# KiCad board bandoneon.kicad_pcb
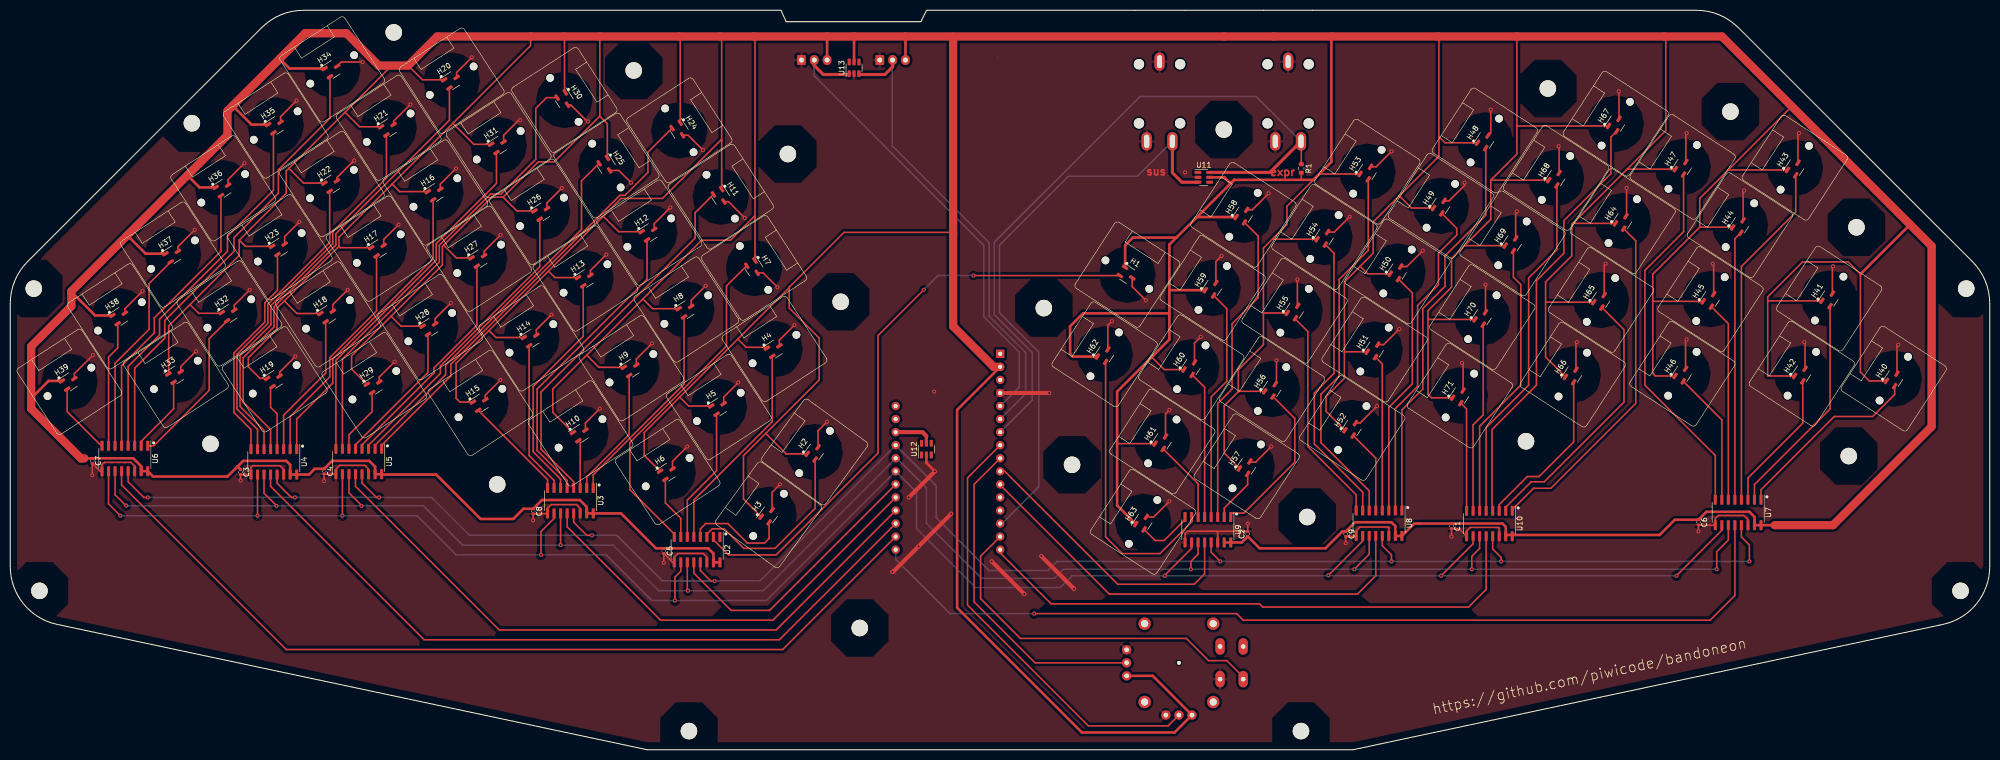
[diagram p0: board, top side]
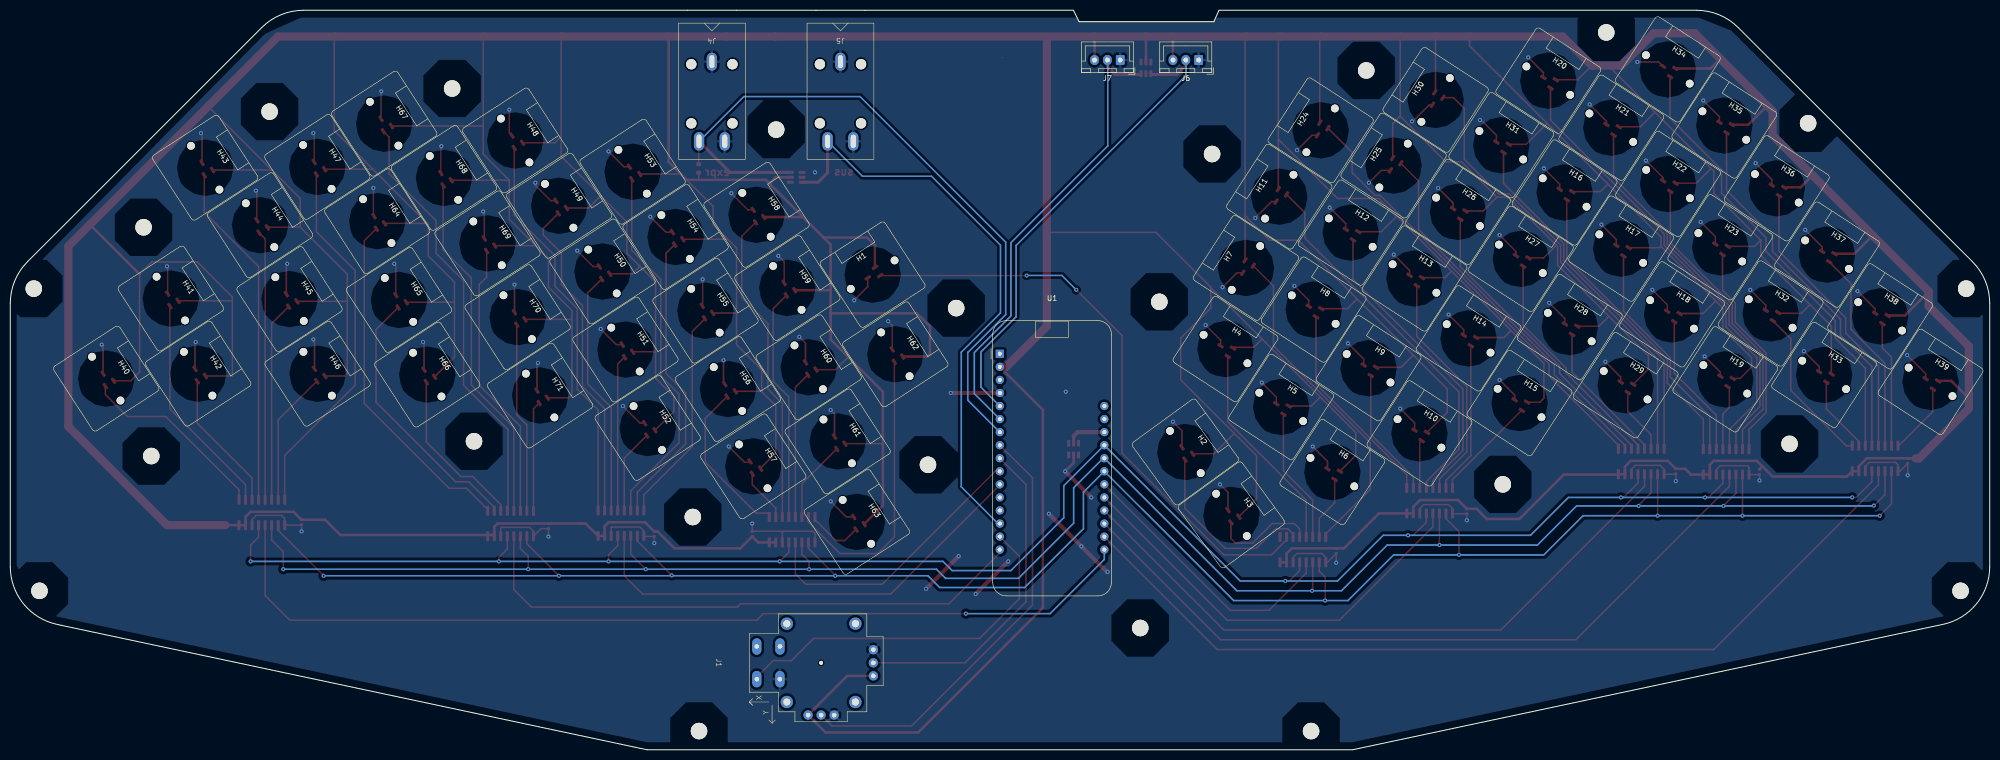
[diagram p1: board, bottom side, seen from below]

Outline 384.86 x 143.85 mm; copper layers: Top, Bottom. Coordinates in mm from the lower left corner of the outline.
Outline path: 0,86.83 arc(0.88,91.23) 3.37,94.96 48.89,140.48 arc(52.62,142.97) 57.02,143.85 149.85,143.85 150.85,141.63 177.05,141.63 178.15,143.85 327.84,143.85 arc(332.24,142.97) 335.98,140.48 381.5,94.96 arc(383.99,91.23) 384.86,86.83 384.86,35.63 arc(382.3,28.39) 375.75,24.38 261.06,0 123.8,0 9.11,24.38 arc(2.56,28.39) 0,35.63 0,86.83
Stack: Top 0.035mm / dielectric 1.51mm FR4 er 4.5 / Bottom 0.035mm

## Placement (name value [footprint] x y rotation side)
C1  1uF  [C_0402_1005Metric]  280.22 43.49 270 top
C2  1uF  [C_0402_1005Metric]  240.6 41.97 90 top
C3  1uF  [C_0402_1005Metric]  44.77 54 270 top
C4  1uF  [C_0402_1005Metric]  61.02 54.16 270 top
C5  1uF  [C_0402_1005Metric]  127.06 38.67 270 top
C6  1uF  [C_0402_1005Metric]  328.23 44.25 270 top
C7  1uF  [C_0402_1005Metric]  15.94 56.19 270 top
C8  1uF  [C_0402_1005Metric]  101.66 46.38 270 top
C9  1uF  [C_0402_1005Metric]  259.65 41.97 270 top
H1  SS39ET  [SOT-23_SS39ET]  217.19 92.42 327 top
H2  SS39ET  [SOT-23_SS39ET]  156.39 57.91 54 top
H3  SS39ET  [SOT-23_SS39ET]  147.43 45.69 54 top
H4  SS39ET  [SOT-23_SS39ET]  148.59 77.95 33 top
H5  SS39ET  [SOT-23_SS39ET]  137.76 66.69 33 top
H6  SS39ET  [SOT-23_SS39ET]  127.81 54.01 33 top
H7  SS39ET  [SOT-23_SS39ET]  144.61 93.72 303 top
H8  SS39ET  [SOT-23_SS39ET]  131.44 85.62 33 top
H9  SS39ET  [SOT-23_SS39ET]  120.77 74.21 33 top
H10  SS39ET  [SOT-23_SS39ET]  110.87 61.53 33 top
H11  SS39ET  [SOT-23_SS39ET]  138.13 107.59 303 top
H12  SS39ET  [SOT-23_SS39ET]  124.24 100.6 33 top
H13  SS39ET  [SOT-23_SS39ET]  111.84 91.67 33 top
H14  SS39ET  [SOT-23_SS39ET]  101.32 80.01 33 top
H15  SS39ET  [SOT-23_SS39ET]  91.41 67.45 33 top
H16  SS39ET  [SOT-23_SS39ET]  82.65 108.4 33 top
H17  SS39ET  [SOT-23_SS39ET]  71.65 97.49 33 top
H18  SS39ET  [SOT-23_SS39ET]  61.76 84.68 33 top
H19  SS39ET  [SOT-23_SS39ET]  51.41 72.05 33 top
H20  SS39ET  [SOT-23_SS39ET]  85.82 130.15 33 top
H21  SS39ET  [SOT-23_SS39ET]  73.57 121 33 top
H22  SS39ET  [SOT-23_SS39ET]  62.54 110.05 33 top
H23  SS39ET  [SOT-23_SS39ET]  52.39 97.75 33 top
H24  SS39ET  [SOT-23_SS39ET]  130.08 120.49 303 top
H25  SS39ET  [SOT-23_SS39ET]  115.91 113.64 303 top
H26  SS39ET  [SOT-23_SS39ET]  103.38 104.63 33 top
H27  SS39ET  [SOT-23_SS39ET]  91.16 95.5 33 top
H28  SS39ET  [SOT-23_SS39ET]  81.65 82.21 33 top
H29  SS39ET  [SOT-23_SS39ET]  70.79 70.91 33 top
H30  SS39ET  [SOT-23_SS39ET]  107.73 126.41 303 top
H31  SS39ET  [SOT-23_SS39ET]  94.96 117.59 33 top
H32  SS39ET  [SOT-23_SS39ET]  42.59 84.86 33 top
H33  SS39ET  [SOT-23_SS39ET]  32.19 72.91 33 top
H34  SS39ET  [SOT-23_SS39ET]  62.59 132.35 33 top
H35  SS39ET  [SOT-23_SS39ET]  51.6 121.43 33 top
H36  SS39ET  [SOT-23_SS39ET]  41.4 109.21 33 top
H37  SS39ET  [SOT-23_SS39ET]  31.64 96.32 33 top
H38  SS39ET  [SOT-23_SS39ET]  21.31 84.3 33 top
H39  SS39ET  [SOT-23_SS39ET]  11.5 71.56 33 top
H40  SS39ET  [SOT-23_SS39ET]  366.21 72.19 57 top
H41  SS39ET  [SOT-23_SS39ET]  353.65 87.76 57 top
H42  SS39ET  [SOT-23_SS39ET]  348.34 73.14 57 top
H43  SS39ET  [SOT-23_SS39ET]  346.97 113.22 57 top
H44  SS39ET  [SOT-23_SS39ET]  336.3 102.04 57 top
H45  SS39ET  [SOT-23_SS39ET]  330.57 87.66 57 top
H46  SS39ET  [SOT-23_SS39ET]  325.1 73.14 57 top
H47  SS39ET  [SOT-23_SS39ET]  325.16 113.38 57 top
H48  SS39ET  [SOT-23_SS39ET]  286.7 118.52 57 top
H49  SS39ET  [SOT-23_SS39ET]  278.14 105.82 57 top
H50  SS39ET  [SOT-23_SS39ET]  269.72 93.03 57 top
H51  SS39ET  [SOT-23_SS39ET]  265.25 77.85 57 top
H52  SS39ET  [SOT-23_SS39ET]  260.92 62.59 57 top
H53  SS39ET  [SOT-23_SS39ET]  263.86 112.43 57 top
H54  SS39ET  [SOT-23_SS39ET]  255.51 99.74 57 top
H55  SS39ET  [SOT-23_SS39ET]  249.7 85.4 57 top
H56  SS39ET  [SOT-23_SS39ET]  245.33 70.17 57 top
H57  SS39ET  [SOT-23_SS39ET]  240.41 55.13 57 top
H58  SS39ET  [SOT-23_SS39ET]  239.77 104.06 57 top
H59  SS39ET  [SOT-23_SS39ET]  233.78 89.84 57 top
H60  SS39ET  [SOT-23_SS39ET]  229.62 74.39 57 top
H61  SS39ET  [SOT-23_SS39ET]  223.99 59.98 57 top
H62  SS39ET  [SOT-23_SS39ET]  212.78 76.92 57 top
H63  SS39ET  [SOT-23_SS39ET]  220.26 44.33 57 top
H64  SS39ET  [SOT-23_SS39ET]  313.51 102.83 57 top
H65  SS39ET  [SOT-23_SS39ET]  309.28 87.49 57 top
H66  SS39ET  [SOT-23_SS39ET]  303.79 72.97 57 top
H67  SS39ET  [SOT-23_SS39ET]  312.16 121.78 57 top
H68  SS39ET  [SOT-23_SS39ET]  300.53 111.23 57 top
H69  SS39ET  [SOT-23_SS39ET]  292.07 98.5 57 top
H70  SS39ET  [SOT-23_SS39ET]  286.21 84.15 57 top
H71  SS39ET  [SOT-23_SS39ET]  281.85 68.9 57 top
J1  2D JOYSTICK  [Adafruit (512) Analog 2-axis Thumb Joystick with Select Button]  227.22 16.91 90 bottom
J4  AudioJack3  [Jack TRS]  248.45 133.85 180 bottom
J5  AudioJack3  [Jack TRS]  223.45 133.85 180 bottom
J6  JST XH-3A  [JST_XH_B3B-XH-A_1x03_P2.50mm_Vertical]  153.81 134.17 0 bottom
J7  JST XH-3A  [JST_XH_B3B-XH-A_1x03_P2.50mm_Vertical]  169.05 134.17 0 bottom
MH01  -  [MountingHole_3.2mm_M3_large]  121.22 132.14 0 top
MH02  -  [MountingHole_3.2mm_M3_large]  151.19 115.88 0 top
MH03  -  [MountingHole_3.2mm_M3_large]  235.95 120.63 0 top
MH05  -  [MountingHole_3.2mm_M3_large]  298.95 128.63 0 top
MH06  -  [MountingHole_3.2mm_M3_large]  334.45 124.13 0 top
MH07  -  [MountingHole_3.2mm_M3_large]  358.95 101.63 0 top
MH08  -  [MountingHole_3.2mm_M3_large]  380.29 89.7 0 top
MH09  -  [MountingHole_3.2mm_M3_large]  357.45 57.13 0 top
MH10  -  [MountingHole_3.2mm_M3_large]  294.7 60 0 top
MH11  -  [MountingHole_3.2mm_M3_large]  379.19 30.91 0 top
MH12  -  [MountingHole_3.2mm_M3_large]  250.95 3.63 0 top
MH13  -  [MountingHole_3.2mm_M3_large]  252.16 45.27 0 top
MH14  -  [MountingHole_3.2mm_M3_large]  161.45 87.13 0 top
MH15  -  [MountingHole_3.2mm_M3_large]  165.16 23.68 0 top
MH16  -  [MountingHole_3.2mm_M3_large]  131.95 3.63 0 top
MH17  -  [MountingHole_3.2mm_M3_large]  94.68 51.62 0 top
MH18  -  [MountingHole_3.2mm_M3_large]  38.92 59.49 0 top
MH19  -  [MountingHole_3.2mm_M3_large]  200.95 85.91 0 top
MH20  -  [MountingHole_3.2mm_M3_large]  4.57 89.7 0 top
MH21  -  [MountingHole_3.2mm_M3_large]  35.31 121.87 0 top
MH22  -  [MountingHole_3.2mm_M3_large]  74.56 139.54 0 top
MH33  -  [MountingHole_3.2mm_M3_large]  206.44 55.43 0 top
MH39  -  [MountingHole_3.2mm_M3_large]  5.67 30.91 0 top
R1  10K  [R_0603_1608Metric]  251.01 113.09 270 top
U1  Feather M4 Express  [Adafruit_Feather_M4_Express]  192.47 77.02 180 bottom
U2  MCP3008  [SOIC-16_MCP3008T-I_SL]  133.54 38.92 270 top
U3  MCP3008  [SOIC-16_MCP3008T-I_SL]  108.9 48.44 270 top
U4  MCP3008  [SOIC-16_MCP3008T-I_SL]  51.24 56 270 top
U5  MCP3008  [SOIC-16_MCP3008T-I_SL]  67.75 56.06 270 top
U6  MCP3008  [SOIC-16_MCP3008T-I_SL]  22.28 56.66 270 top
U7  MCP3008  [SOIC-16_MCP3008T-I_SL]  335.95 46.16 270 top
U8  MCP3008  [SOIC-16_MCP3008T-I_SL]  266.13 44.06 270 top
U9  MCP3008  [SOIC-16_MCP3008T-I_SL]  232.85 42.79 270 top
U10  MCP3008  [SOIC-16_MCP3008T-I_SL]  287.59 44 270 top
U11  SRV05-4  [SOT-23-6]  232.06 111.35 0 top
U12  SRV05-4  [SOT-23-6]  178.12 58.48 90 top
U13  SRV05-4  [SOT-23-6]  164.06 132.65 90 top

## Library data of the parts
C1-C9 = -: Description: Unpolarized capacitor; LCSC Part: C52923
H1-H71 = -: Description: Linear Hall-effect Sensor ICs; LCSC Part: C126669
J4 J5 = -: Description: Audio Jack, 3 Poles (Stereo / TRS)
J6 J7 = -: Description: Generic connector, single row, 01x03, script generated
R1 = -: Description: Resistor; LCSC Part: C25804
U2 = -: Description: A/D Converter, 10-Bit, 8-Channel, SPI Interface , 2.7V-5.5V; LCSC Part: C1520159; Vendor Page: https://jlcpcb.com/partdetail/MicrochipTech-MCP3008_ISL/C1520159
U3-U10 = -: Description: A/D Converter, 10-Bit, 8-Channel, SPI Interface , 2.7V-5.5V; LCSC Part: C1520159; Vendor: https://jlcpcb.com/partdetail/MicrochipTech-MCP3008_ISL/C1520159
U11-U13 = -: Description: ESD Protection Diodes with Low Clamping Voltage, SOT-23-6; LCSC Part: C2836319; Vendor: https://jlcpcb.com/partdetail/Msksemi-SRV054/C2836319

## Footprints (pads in the part's own frame, mm; a bottom-side part is the same pattern mirrored in y, then rotated)
Adafruit (512) Analog 2-axis Thumb Joystick with Select Button
  round 2.4 hole 1.4: (-7.62,-6.668) (-7.62,6.668) (7.62,-6.668) (7.62,6.668)
  round 0.762 hole 0.762 unplated: (0,0)
  oval 3.2x1.8 hole 0.889: (3.175,8.001) (3.175,12.501) 6(-3.175,8.001) 7(-3.175,12.501)
  round 1.8 hole 0.889: 0(-10.16,-2.54) 1(-10.16,0) 2(-10.16,2.54) 3(2.54,-10.16) 4(0,-10.16) 5(-2.54,-10.16)
Adafruit_Feather_M4_Express
  rect 1.6x1.6 hole 0.8: 1(0,0)
  round 1.6 hole 0.8: 2(0,-2.54) 3(0,-5.08) 4(0,-7.62) 5(0,-10.16) 6(0,-12.7) 7(0,-15.24) 8(0,-17.78) 9(0,-20.32) 10(0,-22.86) 11(0,-25.4) 12(0,-27.94) 13(0,-30.48) 14(0,-33.02) 15(0,-35.56) 16(0,-38.1) 17(20.32,-38.1) 18(20.32,-35.56) 19(20.32,-33.02) 20(20.32,-30.48) 21(20.32,-27.94) 22(20.32,-25.4) 23(20.32,-22.86) 24(20.32,-20.32) 25(20.32,-17.78) 26(20.32,-15.24) 27(20.32,-12.7) 28(20.32,-10.16)
C_0402_1005Metric
  rrect 0.56x0.62 smd: 1(-0.48,0) 2(0.48,0)
Jack TRS
  round 2 hole 2.2 unplated: (-4,-12) (-4,-0.5) (4,-12) (4,-0.5)
  oval 2x3.6 hole 1x2.6: R(2.5,-15.5) T(-2.5,-15.5)
  oval 2x3.5 hole 1x2.5: S(0,0)
JST_XH_B3B-XH-A_1x03_P2.50mm_Vertical
  rrect 1.7x1.95 hole 0.95: 1(0,0)
  oval 1.7x1.95 hole 0.95: 2(2.5,0) 3(5,0)
MountingHole_3.2mm_M3_large
  round 3.2 hole 3.2 unplated: (0,0)
R_0603_1608Metric
  rrect 0.8x0.95 smd: 1(-0.825,0) 2(0.825,0)
SOIC-16_MCP3008T-I_SL
  rrect 1.95x0.6 smd: 1(-2.475,4.445) 2(-2.475,3.175) 3(-2.475,1.905) 4(-2.475,0.635) 5(-2.475,-0.635) 6(-2.475,-1.905) 7(-2.475,-3.175) 8(-2.475,-4.445) 9(2.475,-4.445) 10(2.475,-3.175) 11(2.475,-1.905) 12(2.475,-0.635) 13(2.475,0.635) 14(2.475,1.905) 15(2.475,3.175) 16(2.475,4.445)
SOT-23-6
  rrect 1.325x0.6 smd: 1(-1.137,0.95) 2(-1.137,0) 3(-1.137,-0.95) 4(1.137,-0.95) 5(1.137,0) 6(1.137,0.95)
SOT-23_SS39ET
  round 1.5 hole 1.5 unplated: (-5.08,0) (5.08,0)
  rrect 1.325x0.6 smd: 1(-1.137,0.95) 2(-1.137,-0.95) 3(1.137,0)

## Nets
+3.3V: C1.1 C2.1 C3.1 C4.1 C5.1 C6.1 C7.1 C8.1 C9.1 H1.1 H2.1 H3.1 H4.1 H5.1 H6.1 H7.1 H8.1 H9.1 H10.1 H11.1 H12.1 H13.1 H14.1 H15.1 H16.1 H17.1 H18.1 H19.1 H20.1 H21.1 H22.1 H23.1 H24.1 H25.1 H26.1 H27.1 H28.1 H29.1 H30.1 H31.1 H32.1 H33.1 H34.1 H35.1 H36.1 H37.1 H38.1 H39.1 H40.1 H41.1 H42.1 H43.1 H44.1 H45.1 H46.1 H47.1 H48.1 H49.1 H50.1 H51.1 H52.1 H53.1 H54.1 H55.1 H56.1 H57.1 H58.1 H59.1 H60.1 H61.1 H62.1 H63.1 H64.1 H65.1 H66.1 H67.1 H68.1 H69.1 H70.1 H71.1 J1.2 J1.5 J6.3 J7.3 R1.2 U1.2 U2.15 U2.16 U3.15 U3.16 U4.15 U4.16 U5.15 U5.16 U6.15 U6.16 U7.15 U7.16 U8.15 U8.16 U9.15 U9.16 U10.15 U10.16 U11.5 U13.5
/VBUS: U1.26 U12.5
GND: C1.2 C2.2 C3.2 C4.2 C5.2 C6.2 C7.2 C8.2 C9.2 H1.3 H2.3 H3.3 H4.3 H5.3 H6.3 H7.3 H8.3 H9.3 H10.3 H11.3 H12.3 H13.3 H14.3 H15.3 H16.3 H17.3 H18.3 H19.3 H20.3 H21.3 H22.3 H23.3 H24.3 H25.3 H26.3 H27.3 H28.3 H29.3 H30.3 H31.3 H32.3 H33.3 H34.3 H35.3 H36.3 H37.3 H38.3 H39.3 H40.3 H41.3 H42.3 H43.3 H44.3 H45.3 H46.3 H47.3 H48.3 H49.3 H50.3 H51.3 H52.3 H53.3 H54.3 H55.3 H56.3 H57.3 H58.3 H59.3 H60.3 H61.3 H62.3 H63.3 H64.3 H65.3 H66.3 H67.3 H68.3 H69.3 H70.3 H71.3 J1.0 J1.3 J1.6 J4.R J4.S J5.R J5.S J6.1 J7.1 U1.4 U2.9 U2.14 U3.9 U3.14 U4.9 U4.14 U5.9 U5.14 U6.9 U6.14 U7.9 U7.14 U8.9 U8.14 U9.9 U9.14 U10.9 U10.14 U11.2 U12.2 U13.2
/CLK: U1.25 U2.13 U3.13 U4.13 U5.13 U6.13 U7.13 U8.13 U9.13 U10.13
/CS: U1.23 U2.10 U3.10 U4.10 U5.10 U6.10 U7.10 U8.10 U9.10 U10.10
/EXPR_PED: J4.T R1.1 U1.7 U11.6
/G1/MISO: U1.22 U2.12
/G2/MISO: U1.21 U3.12
/G3/MISO: U1.19 U4.12
/G4/MISO: U1.20 U5.12
/G5/MISO: U1.18 U6.12
/G6/MISO: U1.16 U10.12
/G7/MISO: U1.10 U9.12
/G9/MISO: U1.17 U7.12
/G10/MISO: U1.11 U8.12
/JOY_BT: J1.7 U1.15
/JOY_X: J1.1 U1.8
/JOY_Y: J1.4 U1.9
/MOSI: U1.24 U2.11 U3.11 U4.11 U5.11 U6.11 U7.11 U8.11 U9.11 U10.11
/P1: J7.2 U1.6 U13.3
/P2: J6.2 U1.5 U13.1
/SUS_PED: J5.T U1.14 U11.3
Net-(H1-OUT): H1.2 U2.2
Net-(H2-OUT): H2.2 U2.3
Net-(H3-OUT): H3.2 U2.4
Net-(H4-OUT): H4.2 U2.5
Net-(H5-OUT): H5.2 U2.6
Net-(H6-OUT): H6.2 U2.7
Net-(H7-OUT): H7.2 U2.8
Net-(H8-OUT): H8.2 U3.1
Net-(H9-OUT): H9.2 U3.2
Net-(H10-OUT): H10.2 U3.3
Net-(H11-OUT): H11.2 U3.4
Net-(H12-OUT): H12.2 U3.5
Net-(H13-OUT): H13.2 U3.6
Net-(H14-OUT): H14.2 U3.7
Net-(H15-OUT): H15.2 U3.8
Net-(H16-OUT): H16.2 U4.1
Net-(H17-OUT): H17.2 U4.2
Net-(H18-OUT): H18.2 U4.3
Net-(H19-OUT): H19.2 U4.4
Net-(H20-OUT): H20.2 U4.5
Net-(H21-OUT): H21.2 U4.6
Net-(H22-OUT): H22.2 U4.7
Net-(H23-OUT): H23.2 U4.8
Net-(H24-OUT): H24.2 U5.1
Net-(H25-OUT): H25.2 U5.2
Net-(H26-OUT): H26.2 U5.3
Net-(H27-OUT): H27.2 U5.4
Net-(H28-OUT): H28.2 U5.5
Net-(H29-OUT): H29.2 U5.6
Net-(H30-OUT): H30.2 U5.7
Net-(H31-OUT): H31.2 U5.8
Net-(H32-OUT): H32.2 U6.1
Net-(H33-OUT): H33.2 U6.2
Net-(H34-OUT): H34.2 U6.3
Net-(H35-OUT): H35.2 U6.4
Net-(H36-OUT): H36.2 U6.5
Net-(H37-OUT): H37.2 U6.6
Net-(H38-OUT): H38.2 U6.7
Net-(H39-OUT): H39.2 U6.8
Net-(H40-OUT): H40.2 U7.1
Net-(H41-OUT): H41.2 U7.2
Net-(H42-OUT): H42.2 U7.3
Net-(H43-OUT): H43.2 U7.4
Net-(H44-OUT): H44.2 U7.5
Net-(H45-OUT): H45.2 U7.6
Net-(H46-OUT): H46.2 U7.7
Net-(H47-OUT): H47.2 U7.8
Net-(H48-OUT): H48.2 U8.1
Net-(H49-OUT): H49.2 U8.2
Net-(H50-OUT): H50.2 U8.3
Net-(H51-OUT): H51.2 U8.4
Net-(H52-OUT): H52.2 U8.5
Net-(H53-OUT): H53.2 U8.6
Net-(H54-OUT): H54.2 U8.7
Net-(H55-OUT): H55.2 U8.8
Net-(H56-OUT): H56.2 U9.1
Net-(H57-OUT): H57.2 U9.2
Net-(H58-OUT): H58.2 U9.3
Net-(H59-OUT): H59.2 U9.4
Net-(H60-OUT): H60.2 U9.5
Net-(H61-OUT): H61.2 U9.6
Net-(H62-OUT): H62.2 U9.7
Net-(H63-OUT): H63.2 U9.8
Net-(H64-OUT): H64.2 U10.1
Net-(H65-OUT): H65.2 U10.2
Net-(H66-OUT): H66.2 U10.3
Net-(H67-OUT): H67.2 U10.4
Net-(H68-OUT): H68.2 U10.5
Net-(H69-OUT): H69.2 U10.6
Net-(H70-OUT): H70.2 U10.7
Net-(H71-OUT): H71.2 U10.8

Pads without a net: U1 1 3 12 13 27 28; U2 1; U11 1 4; U12 1 3 4 6; U13 4 6

## Via types
v1: diameter 0.8, hole 0.4, Top to Bottom, 122 vias

## Routing (per net, layer and track width the routed paths; a pad name or vN(x,y) marks a point on that pad's centre or on a via; arc(x,y) is an arc through that point)
+3.3V: length 2679.7
  Top w0.3: 73.47,132.39 53.66,112.58 53.66,108.26 44.51,99.12 ; 334.07,112.83 346.01,124.77 ; 334.07,112.83 334.12,112.78 H43.1 ; 334.07,112.83 328.48,107.25 328.48,101.66 ; 141.46,79.9 130.15,68.59 ; 141.46,79.9 143.06,78.29 147.13,78.29 147.12,78.28 H4.1 ; 141.46,79.9 151.45,89.89 151.45,89.97 ; H46.1 319.85,72.7 319.34,73.21 319.34,92.51 328.48,101.66 ; H32.1 41.12,84.98 41.21,84.89 36.64,84.89 34.94,86.59 ; 146.87,61.53 150.85,57.55 H2.1 ; 146.87,61.53 157.29,71.94 157.29,80.07 151.45,85.91 151.45,89.97 ; 146.87,61.53 142.56,57.21 142.56,48.77 H3.1 ; 112.08,76.77 105.47,70.16 105.47,65.64 H10.1 ; 112.08,76.77 114.45,74.39 H9.1 ; 112.08,76.77 123,87.69 ; H66.1 298.51,76.4 298.51,90.99 303.59,96.07 303.59,102.17 ; H7.1 144.79,103.69 ; 144.79,103.69 144.79,103.89 140.02,99.12 134.43,99.12 123,87.69 ; 144.79,103.69 144.79,138.54 144.59,138.74 ; 65.09,124.01 67.92,121.18 H21.1 ; 328.48,101.66 334.58,101.66 334.63,101.6 H44.1 ; H18.1 55.72,84.86 53.27,87.31 ; 74.04,84.32 66.36,76.64 66.36,74.04 H29.1 ; 74.04,84.32 84.01,94.3 84.01,97.89 84.26,98.14 ; 74.04,84.32 75.97,82.39 H28.1 ; 95.82,107.5 98.51,104.81 H26.1 ; 95.82,107.5 102.68,114.36 105.73,114.36 114.62,123.25 ; 95.82,107.5 93.62,107.5 84.26,98.14 ; 262.44,94.04 264.98,96.58 264.98,102.67 270.06,107.75 ; 262.44,94.04 259.4,90.99 259.4,77.27 ; 262.44,94.04 263.89,92.59 H50.1 ; 303.59,102.17 303.82,102.39 H64.1 ; 303.59,102.17 314.26,112.83 ; 101.15,138.74 101.15,136.96 86.04,121.85 ; 253.35,110.86 248.22,105.72 248.22,102.17 243.65,97.59 243.65,84.89 ; 259.4,77.27 259.54,77.41 H51.1 ; 259.4,77.27 259.4,72.27 255.84,68.71 255.84,65.82 H52.1 ; H17.1 64.17,97.66 63.9,97.93 ; 63.9,97.93 51.88,85.91 51.88,81.85 46.29,76.26 46.29,74.48 48.54,72.23 H19.1 ; 63.9,97.93 63.9,99.71 74.23,110.04 75.7,108.57 H16.1 ; 275.65,83.88 275.65,69.15 276.33,68.46 H71.1 ; 275.65,83.88 275.65,85.4 280.22,89.97 280.22,95.56 282.76,98.1 ; 275.65,83.88 275.82,83.71 H70.1 ; 282.76,98.1 287.84,103.18 287.84,110.8 ; 282.76,98.1 282.8,98.06 H69.1 ; H55.1 243.72,84.97 243.65,84.89 ; H45.1 319.34,87.23 ; 34.94,86.59 30.8,82.44 30.8,73.16 H33.1 ; 34.94,86.59 44.51,96.16 44.51,99.12 ; 130.11,138.74 130.26,138.59 H24.1 ; 277.68,138.74 277.76,138.66 277.76,119.26 ; 243.65,84.89 243.65,78.8 238.77,73.92 238.77,69.65 ; 277.76,119.26 278.95,118.08 H48.1 ; 277.76,119.26 277.76,115.45 270.06,107.75 ; H57.1 238.99,54.75 236.03,57.72 236.03,66.91 238.77,69.65 ; 151.45,89.97 162.11,100.64 183.32,100.64 ; 86.04,121.85 74.1,109.91 ; 86.04,121.85 90.12,117.77 H31.1 ; H54.1 245.43,99.31 245.39,99.34 ; H6.1 123.25,57.27 123.25,61.69 130.15,68.59 ; 270.06,107.75 272.44,105.38 H49.1 ; 138.31,118.42 138.31,138.41 137.98,138.74 ; 138.31,118.42 H11.1 ; 138.31,118.42 138.31,118.6 138.24,118.68 126.81,107.25 118.77,107.25 86.68,75.16 86.68,68.38 87.44,67.62 H15.1 ; 339,43.68 338.95,43.63 ; 232.15,89.62 H59.1 ; 104.71,93.02 105.88,91.85 H13.1 ; 44.51,99.12 45.71,97.92 H23.1 ; 321.63,138.74 321.88,138.49 321.88,120.45 314.26,112.83 ; 221.93,76.38 224.36,73.96 H60.1 ; 341.69,87.43 341.69,72.7 346.77,72.7 346.78,72.71 H42.1 ; 341.69,87.43 341.69,88.1 348.48,94.89 357.35,94.89 359.73,92.51 359.73,73.46 361.44,71.75 H40.1 364.57,71.97 ; 341.69,87.43 341.8,87.33 H41.1 ; 238.77,69.65 238.85,69.73 H56.1 ; 292.92,121.47 292.92,115.88 287.84,110.8 ; 292.92,121.47 292.92,138.74 ; 292.92,121.47 293.05,121.34 H67.1 ; H5.1 131.88,66.86 130.15,68.59 ; 215.2,59.49 215.25,59.54 H61.1 ; 114.62,123.25 114.62,138.74 ; 114.62,123.25 116.09,121.78 H25.1 ; 123,87.69 124.89,85.8 H8.1 ; 84.26,98.14 86.73,95.67 H27.1 ; 314.26,112.83 314.37,112.94 H47.1 ; 77.37,133.09 80.13,130.33 H20.1 84.32,130.36 ; H14.1 94.43,80.19 93.07,81.55 ; H68.1 287.85,110.8 287.84,110.8 ; H62.1 211.15,76.7 ; 115.29,103.77 118.29,100.77 H12.1 ; 54.16,113.09 57.02,110.23 H22.1 ; H30.1 107.76,128.03 107.76,138.74 ; 254.32,111.82 254.5,112 H53.1 ; H65.1 298.51,87.06 ; H34.1 61.14,132.52 ; R1.2 251.01,110.86
  Top w0.5: 226.81,99.7 226.73,99.63 218.25,99.63 216.75,98.13 H1.1 ; 226.81,99.7 230.62,103.51 ; 226.81,99.7 225.36,98.26 225.36,89.47 ; H35.1 46.91,121.61 43.24,125.28 ; H63.1 215.2,47.53 215.2,69.65 225.36,79.81 225.36,89.47 ; H58.1 230.73,103.62 230.62,103.51 ; 44.19,55.11 44.77,54.54 C3.1 ; 44.19,55.11 45.27,56.19 53.66,56.19 54.42,55.43 U4.15 U4.16 58.08,53.53 59.19,54.64 C4.1 62.57,56.19 69.78,56.19 70.93,55.05 U5.15 U5.16 72.26,53.53 82.81,53.53 91.44,44.89 97.79,44.89 99.76,46.87 101.66,46.87 103.37,48.57 110.74,48.57 112.08,47.24 U3.15 U3.16 118.74,45.97 125.54,39.17 127.03,39.17 C5.1 127.09,39.17 135.7,39.17 136.71,38.16 U2.15 U2.16 ; 44.19,55.11 42.23,53.14 27.76,53.14 U6.16 U6.15 25.45,55.15 23.91,56.7 15.96,56.7 C7.1 14.38,56.67 ; 52.39,134.42 54.29,132.52 H34.1 ; 237.96,110.86 253.35,110.86 256.86,114.36 256.86,138.74 ; 237.96,110.86 230.62,103.51 ; 237.96,110.86 237.46,110.35 237.06,110.35 236.06,111.35 U11.5 ; 359.73,92.51 369.25,102.04 369.25,102.29 ; 225.36,89.47 225.43,89.4 H59.1 ; J6.3 158.81,138.74 ; U9.15 U9.16 239.43,40.32 C2.1 242.91,39.17 255.71,39.17 258.99,42.45 C9.1 261.46,44.25 268.54,44.25 269.3,43.49 U8.15 U8.16 272.95,43.97 274.13,43.97 ; 11.87,89.09 16.48,84.48 H38.1 ; H39.1 7.44,71.74 4.06,68.35 ; J7.3 174.05,138.74 ; H37.1 26.31,96.49 22.75,100.05 ; U1.2 184.09,66.1 184.09,27.61 208.34,3.36 226.37,3.36 J1.2 222.14,14.37 J1.5 ; 274.13,43.97 273.14,43.97 ; 274.13,43.97 274.16,44 280.2,44 C1.1 280.25,44 290.13,44 290.76,43.37 U10.15 291.02,41.78 320.67,41.78 323.63,44.73 C6.1 329.78,46.29 338.14,46.29 339.13,45.29 U7.15 U7.16 343.06,43.68 ; U13.5 164.06,138.74 ; 225.36,84.89 208.6,84.89 206.06,82.35 206.06,76.99 206.56,76.48 H62.1 ; 34.43,111.74 36.78,109.39 H36.1
  Top w1.6: 343.06,43.68 354.38,43.68 373.57,62.87 373.57,97.97 332.8,138.74 183.32,138.74 ; 14.38,56.67 13.74,56.67 4.06,66.35 4.06,78.47 11.87,86.29 11.87,89.18 22.75,100.05 34.43,111.74 42.23,119.53 42.23,124.26 57.34,139.38 65.34,139.38 71.63,133.09 77.37,133.09 83.02,138.74 183.07,138.74 ; U1.2 191.21,74.48 183.32,82.36 183.32,138.49
/VBUS: length 7.7
  Top w0.6: 178.12,61.02 U12.5
  Top w0.8: U1.26 177.35,61.78 178.12,61.02
GND: length 568.5
  Top w0.3: v1(142.81,103.44) 139.61,106.64 H11.3 ; H32.3 43.55,86.47 v1(46.54,89.47) ; H62.3 213.4,82.59 v1(214.18,83.37) ; v1(225.36,66.1) 224.61,65.35 H61.3 ; v1(120.71,110.29) 118.32,112.69 H25.3 ; v1(149.16,89.97) 146.37,92.77 H7.3 ; H53.3 265.54,113.39 v1(268.54,116.39) ; H29.3 71.74,72.5 v1(74.74,75.5) ; H67.3 312.78,128.03 v1(312.74,128.07) ; H1.3 218.15,90.08 v1(220.79,87.43) ; H13.3 112.79,93.23 v1(115.89,96.32) ; v1(75.5,102.17) 72.6,99.27 H17.3 ; H5.3 138.71,68.6 v1(141.54,71.43) ; v1(231.46,80.32) 230.24,79.11 H60.3 ; v1(245.17,58.99) 242.12,55.94 241.11,55.94 241.02,56.02 H57.3 ; H36.3 42.35,110.93 v1(45.53,114.1) ; H35.3 52.56,123.16 v1(55.69,126.3) ; v1(65.59,89.47) 62.72,86.59 H18.3 ; v1(235.52,96.07) 234.4,94.95 H59.3 ; 234.76,41.08 234.76,42.25 234.5,42.51 ; v1(292.92,104.71) 292.69,104.48 H69.3 ; v1(77.79,125.53) 74.53,122.28 H21.3 ; H26.3 104.34,106.37 v1(107.25,109.28) ; v1(61.02,52.25) C4.2 61.11,53.59 U5.9 63.31,54.57 64.05,55.31 68.91,55.31 69.66,54.57 U5.14 ; v1(35.88,101.15) 32.59,97.87 H37.3 ; H30.3 108.96,125.46 112.18,122.23 v1(112.33,122.23) ; v1(44.77,52.38) C3.2 46.79,53.53 U4.9 46.8,54.92 47.13,55.25 52.4,55.25 53.15,54.51 U4.14 ; H49.3 279.75,106.77 282.76,109.79 v1(282.76,110.29) ; H14.3 102.27,81.7 v1(105.22,84.64) ; U2.14 135.44,37.43 134.7,38.17 129.84,38.17 129.09,37.43 U2.9 128.8,36.44 C5.2 v1(127.06,36.38) ; v1(55.43,76.51) 52.37,73.44 H19.3 ; H70.3 286.83,90.48 v1(286.83,90.48) ; v1(282.26,75.24) 282.47,75.03 H71.3 ; v1(158.81,63.81) 157.06,62.06 H2.3 ; v1(325.94,79.81) 325.72,79.59 H46.3 ; v1(325.94,119.95) 325.78,119.78 H47.3 ; H9.3 121.72,76 v1(124.78,79.05) ; v1(25.72,89.21) 22.27,85.76 H38.3 ; U7.14 337.86,44.79 337.06,45.59 332.1,45.59 331.51,44.99 U7.9 328.32,43.68 C6.2 v1(328.23,42.48) ; H44.3 336.92,108.57 v1(337.12,108.77) ; H24.3 131.79,119.54 v1(134.68,116.64) ; v1(331.02,94.55) 331.19,94.38 H45.3 ; H33.3 33.15,74.54 v1(36.13,77.53) ; H68.3 301.15,117.3 v1(301.05,117.41) ; H12.3 125.19,102.33 v1(128.33,105.47) ; H3.3 148.1,50.05 v1(149.67,51.62) ; H34.3 64.37,133.79 v1(68.51,133.79) ; 234.5,42.51 228.86,42.51 228.41,42.06 228.41,41.08 ; 234.5,42.51 240.54,42.51 C2.2 v1(240.6,44) ; v1(280.22,41.46) C1.2 281.66,43.01 U10.9 283.14,42.51 283.89,43.25 289.37,43.25 289.49,43.12 289.49,41.53 ; v1(314.26,109.28) 314.26,104.2 314.13,104.07 H64.3 ; H42.3 348.96,79.15 v1(348.8,79.31) ; H6.3 128.76,56.11 v1(131.63,58.99) ; C9.2 259.65,41.46 ; C9.2 261.58,41.49 U8.9 261.68,42.57 262.42,43.31 267.95,43.31 268.03,43.24 U8.14 ; C9.2 v1(259.65,40.19) ; H54.3 257.42,100.7 v1(260.41,103.69) ; v1(101.66,44.63) C8.2 104.39,45.91 U3.9 104.46,46.95 105.2,47.69 110.06,47.69 110.81,46.95 U3.14 ; H40.3 366.83,78.53 v1(367.09,78.8) ; H66.3 304.41,79.11 v1(304.61,79.31) ; v1(244.66,108.26) 244.66,108.22 241.46,105.02 H58.3 ; v1(95.31,71.94) 92.37,68.99 H15.3 ; v1(16.06,76.77) 12.45,73.16 H39.3 ; H10.3 111.83,63.56 v1(114.62,66.35) ; 24.18,55.17 U6.14 24.18,55.16 23.44,55.91 18.32,55.91 17.83,55.42 U6.9 17.47,54.18 C7.2 v1(15.94,53.4) ; H8.3 132.39,87.43 v1(135.19,90.23) ; H28.3 82.61,83.87 v1(85.66,86.93) ; v1(274.64,97.09) 271.53,93.98 H50.3 ; v1(246.19,75.75) 246.19,71.36 H56.3 ; H23.3 53.34,99.82 v1(56.2,102.67) ; v1(354.39,94.04) 354.27,93.92 H41.3 ; H22.3 63.49,111.28 66.83,114.61 v1(66.86,114.61) ; H31.3 95.92,119.54 98.87,122.49 v1(99.12,122.49) ; H51.3 267.02,78.81 v1(270.06,81.85) ; H55.3 250.31,86.36 250.25,86.42 v1(250.25,91.5) ; v1(225.36,48.32) 222.32,45.28 H63.3 ; v1(347.79,119.95) 347.59,119.75 H43.3 ; v1(287.84,124.52) 287.84,120 H48.3 ; v1(265.75,66.86) 262.44,63.56 261.43,63.56 261.44,63.54 H52.3 ; H27.3 92.12,96.94 v1(95.31,100.13) ; H4.3 149.54,79.69 v1(152.46,82.61) ; v1(89.72,134.68) 86.78,131.73 H20.3 ; v1(86.68,113.09) 83.61,110.02 H16.3 ; v1(310.2,94.55) 309.9,94.25 H65.3 ; 245.96,118.85 245.95,118.85
  Top w0.5: v1(179.77,54.16) 178.12,55.81 U12.2
  Top w0.6: 245.95,117.85 245.95,118.85 ; 220.95,118.85 220.95,117.46
  Top w0.8: v1(171.51,34.6) 171.64,34.6 v1(176.59,39.56) v1(182.94,45.91) ; v1(190.82,36.63) v1(197.17,30.28) ; v1(201.99,69.4) U1.4 ; v1(200.47,37.65) v1(206.82,31.3) ; v1(174.69,49.08) v1(179.77,54.16)
  Bottom w0.3: 220.95,117.85 220.89,117.91
  vias: v1(179.64,69.65) v1(228.41,112.33)
/CLK: length 398.1
  Top w0.3: U9.13 233.49,38.41 v1(235.27,36.63) ; v1(268.54,36.63) 268.54,37.9 266.76,39.68 U8.13 ; v1(289.88,36.63) 289.88,37.4 288.22,39.05 U10.13 ; U6.13 22.91,52.14 25.97,49.08 v1(26.73,49.08) ; U7.13 336.59,41.36 338.14,39.81 v1(338.14,36.63) ; U2.13 134.17,34.86 136.21,32.82 v1(136.97,32.82) ; U4.13 51.88,51.85 54.65,49.08 v1(55.34,49.08) ; v1(113.09,41.71) 112.08,41.71 109.54,44.25 U3.13 ; U5.13 68.39,51.87 71.18,49.08 v1(71.71,49.08)
  Bottom w0.3: v1(26.73,49.08) v1(71.71,49.08) 81.91,49.08 89.28,41.71 v1(113.09,41.71) 117.92,41.71 126.81,32.82 v1(136.97,32.82) 145.73,32.82 U1.25 180.02,51.37 180.02,45.14 190.31,34.86 201.74,34.86 203.52,36.63 v1(235.27,36.63) v1(268.54,36.63) v1(289.88,36.63) v1(338.14,36.63)
/CS: length 420
  Top w0.3: U6.10 19.1,47.82 v1(21.4,45.52) ; v1(278.19,33.84) 284.41,40.06 284.41,41.53 284.35,41.53 284.29,41.46 ; U8.10 262.95,40.61 v1(256.27,33.92) ; v1(64.58,45.52) U5.10 ; U9.10 229.68,39.17 224.47,33.97 v1(224.47,33.84) ; v1(103.19,37.9) 103.19,42.45 105.73,44.99 U3.10 ; v1(323.95,33.84) 323.95,33.87 332.78,42.7 U7.10 ; U2.10 130.36,34.72 129.22,33.57 v1(129.22,29.01) ; v1(48.07,45.52) U4.10
  Bottom w0.3: v1(21.4,45.52) v1(64.58,45.52) 79.06,45.52 86.68,37.9 v1(103.19,37.9) 115.89,37.9 124.78,29.01 v1(129.22,29.01) 147,29.01 U1.23 176.21,50.1 176.21,42.98 187.64,31.55 204.15,31.55 206.44,33.84 v1(224.47,33.84) 256.18,33.84 v1(256.27,33.92) 256.35,33.84 v1(278.19,33.84) v1(323.95,33.84)
/EXPR_PED: length 142.3
  Top w0.3: J4.T 251.01,118.29 R1.1
  Top w0.6: J4.T 244.91,112.3 U11.6
  Bottom w0.3: J4.T 242.24,127.06 219.64,127.06 191.32,98.74 191.32,84.64 198.69,77.27 198.69,68 U1.7
/G1/MISO: length 54.5
  Top w0.3: U2.12 132.9,34.35 140.14,27.11 147.64,27.11 U1.22
/G2/MISO: length 83.9
  Top w0.3: U3.12 108.27,43.37 126.43,25.2 148.27,25.2 U1.21
/G3/MISO: length 145.6
  Top w0.3: U1.19 149.54,21.39 80.45,21.39 50.61,51.24 U4.12
/G4/MISO: length 128.6
  Top w0.3: U5.12 67.12,51.24 95.06,23.3 148.91,23.3 U1.20
/G5/MISO: length 175.5
  Top w0.3: U6.12 21.64,51.5 53.66,19.49 150.18,19.49 U1.18
/G6/MISO: length 111.3
  Top w0.3: U1.16 192.47,38.28 202.37,28.38 242.89,28.38 243.52,27.74 283.53,27.74 286.95,31.17 U10.12
/G7/MISO: length 55.8
  Top w0.3: U1.10 193.36,54.16 215.33,32.19 230.19,32.19 232.22,34.22 U9.12
/G9/MISO: length 185.6
  Top w0.3: v1(199.07,26.47) 238.44,26.47 239.71,25.2 330.52,25.2 335.32,30 U7.12
  Bottom w0.3: v1(199.07,26.47) 182.69,26.47 172.15,37.01 U1.17
/G10/MISO: length 91.2
  Top w0.3: U1.11 192.47,51.49 213.68,30.28 261.94,30.28 265.49,33.84 U8.12
/JOY_BT: length 71.4
  Top w0.3: J1.7 239.72,14.15 236.54,17.33 232.98,17.33 228.66,21.65 196.4,21.65 188.66,29.39 188.66,37.65 U1.15
/JOY_X: length 85.5
  Top w0.3: U1.8 186.12,52.89 186.12,28.12 209.61,4.63 225.1,4.63 J1.1
/JOY_Y: length 64.6
  Top w0.3: J1.4 199.24,16.91 187.39,28.76 187.39,51.62 U1.9
/MOSI: length 404.9
  Top w0.3: U4.11 49.34,49.91 51.75,47.49 v1(51.75,47.43) ; v1(68.26,47.43) 68.26,47.56 65.85,49.97 U5.11 ; v1(261.3,35.11) 264.22,38.03 U8.11 ; U2.11 131.63,31.05 v1(131.76,30.92) ; v1(229.55,35.11) 229.55,36.63 230.95,38.03 U9.11 ; U6.11 20.37,49.6 22.48,47.49 v1(22.54,47.49) ; v1(284.16,35.11) 284.16,37.63 285.68,39.15 U10.11 ; U7.11 334.05,40.8 331.79,38.54 v1(331.79,35.11) ; v1(107,39.81) U3.11
  Bottom w0.3: v1(331.79,35.11) v1(229.55,35.11) 204.79,35.11 203.01,33.33 188.85,33.33 178.12,44.06 178.12,50.95 172.36,56.7 U1.24 146.37,30.92 v1(131.76,30.92) 126.05,30.92 117.16,39.81 v1(107,39.81) 87.95,39.81 80.33,47.43 v1(68.26,47.43) v1(51.75,47.43) 22.6,47.43 v1(22.54,47.49)
/P1: length 91.2
  Top w0.6: J7.2 171.55,132.85 170.06,131.35 165.16,131.35 U13.3
  Bottom w0.3: U1.6 197.42,69.27 197.42,77.27 190.31,84.39 190.31,98.63 171.47,117.46 171.47,134.17
/P2: length 94
  Top w0.6: U13.1 162.95,131.35 158.06,131.35 156.31,133.1 J6.2
  Bottom w0.3: U1.5 196.15,70.54 196.15,77.35 189.29,84.21 189.29,98.1 156.27,131.12 156.27,134.17
/SUS_PED: length 114.4
  Top w0.6: U11.3 227.79,110.4 225.95,112.24 J5.T
  Bottom w0.3: J5.T 219.17,111.56 205.75,111.56 192.34,98.15 192.34,84.96 199.96,77.34 199.96,51.14 192.82,44 U1.14
Net-(H1-OUT): length 117.3
  Top w0.3: v1(177.61,89.47) 168.72,80.58 168.72,57.72 148.91,37.9 139.65,37.9 136.71,40.84 136.71,41.97 ; v1(187.26,92.24) H1.2
  Bottom w0.3: v1(177.61,89.47) 180.4,92.26 187.24,92.26 v1(187.26,92.24)
Net-(H2-OUT): length 36.3
  Top w0.3: H2.2 156.49,46.97 148.69,39.17 142.61,39.17 138.8,42.98 136.48,42.98 135.44,41.95 U2.3
Net-(H3-OUT): length 20.1
  Top w0.3: 147.32,44 H3.2 147.53,41.1 146.62,40.19 143.32,40.19 139.51,44 135.23,44 134.17,42.94 134.17,41.97
Net-(H4-OUT): length 40.9
  Top w0.3: H4.2 148.15,63.82 132.9,48.57 132.9,41.97
Net-(H5-OUT): length 25.7
  Top w0.3: H5.2 137.32,54.26 131.63,48.57 131.63,41.97
Net-(H6-OUT): length 11.9
  Top w0.3: H6.2 127.37,48.01 130.36,45.02 130.36,41.97
Net-(H7-OUT): length 65.2
  Top w0.3: 129.09,41.97 120.46,50.6 120.46,59.75 139.25,78.54 139.25,90.22 H7.2
Net-(H8-OUT): length 40.6
  Top w0.3: U3.1 113.35,53.48 131,71.14 H8.2
Net-(H9-OUT): length 25.3
  Top w0.3: U3.2 112.08,53.06 120.33,61.32 H9.2
Net-(H10-OUT): length 9.4
  Top w0.3: U3.3 110.81,59.75 H10.2
Net-(H11-OUT): length 73.6
  Top w0.3: U3.4 109.54,52.13 103.19,58.48 103.19,69.57 133.16,99.54 133.16,104.47 H11.2
Net-(H12-OUT): length 59.5
  Top w0.3: H12.2 123.8,91.54 102.42,70.16 102.42,58.22 108.27,52.38 U3.5
Net-(H13-OUT): length 45.6
  Top w0.3: U3.6 107,52.64 101.66,57.97 101.66,70.67 111.4,80.41 H13.2
Net-(H14-OUT): length 29.7
  Top w0.3: U3.7 105.73,52.38 100.88,57.22 H14.2
Net-(H15-OUT): length 20.7
  Top w0.3: H15.2 104.46,52.55 U3.8
Net-(H16-OUT): length 59.5
  Top w0.3: U4.1 55.69,64.32 62.71,71.34 62.71,76 82.21,95.51 H16.2
Net-(H17-OUT): length 44.5
  Top w0.3: U4.2 54.42,64.83 62.11,72.52 62.11,76.25 71.21,85.35 H17.2
Net-(H18-OUT): length 28.2
  Top w0.3: H18.2 61.32,73.26 53.15,65.08 U4.3
Net-(H19-OUT): length 12.8
  Top w0.3: H19.2 50.61,70.27 50.61,66.61 51.88,65.34 U4.4
Net-(H20-OUT): length 89.1
  Top w0.3: U4.5 50.61,62.29 45.27,67.62 45.27,76.26 51.28,82.26 51.28,86.16 63.3,98.18 63.3,100.38 85.39,122.47 H20.2
Net-(H21-OUT): length 74.8
  Top w0.3: U4.6 49.34,62.13 44.67,66.79 44.67,76.67 50.68,82.68 50.68,86.41 62.7,98.43 62.7,100.8 73.14,111.23 H21.2
Net-(H22-OUT): length 59.3
  Top w0.3: U4.7 48.07,62.29 44.07,66.28 44.07,76.92 50.08,82.93 50.08,86.66 62.1,98.68 H22.2
Net-(H23-OUT): length 42.7
  Top w0.3: U4.8 46.8,62.29 43.47,65.61 43.47,77.17 49.48,83.18 49.48,86.9 51.95,89.38 H23.2
Net-(H24-OUT): length 86.4
  Top w0.3: H24.2 123.97,116.23 123.97,112.28 119.53,107.85 118.52,107.85 85.66,74.99 85.66,72.7 72.2,59.24 U5.1
Net-(H25-OUT): length 73.6
  Top w0.3: H25.2 111.06,110.65 111.06,101.24 84.64,74.82 84.64,72.96 70.93,59.24 U5.2
Net-(H26-OUT): length 58.5
  Top w0.3: U5.3 69.66,59.24 83.63,73.21 83.63,74.65 102.95,93.97 H26.2
Net-(H27-OUT): length 44.8
  Top w0.3: H27.2 90.73,82.6 82.36,74.23 82.36,73.3 68.39,59.33 U5.4
Net-(H28-OUT): length 28.1
  Top w0.3: U5.5 67.12,59.33 81.21,73.42 H28.2
Net-(H29-OUT): length 12.8
  Top w0.3: U5.6 65.85,61.27 70.35,65.78 H29.2
Net-(H30-OUT): length 88
  Top w0.3: U5.7 64.58,76 83.41,94.84 83.41,98.14 93.37,108.1 95.4,108.1 102.17,114.87 102.17,124.77 104.25,126.85 H30.2
Net-(H31-OUT): length 70.6
  Top w0.3: U5.8 63.31,75.75 82.81,95.26 82.81,98.45 94.53,110.17 H31.2
Net-(H32-OUT): length 31.4
  Top w0.3: H32.2 38.67,79.96 38.67,69.91 27.89,59.13 U6.1
Net-(H33-OUT): length 15
  Top w0.3: U6.2 25.45,59.99 31.75,66.3 H33.2
Net-(H34-OUT): length 87.5
  Top w0.3: U6.3 24.18,74.22 30.03,80.07 30.03,83.5 43.5,96.96 43.5,99.63 52.13,108.26 52.13,112.83 62.15,122.85 H34.2
Net-(H35-OUT): length 72.6
  Top w0.3: U6.4 22.91,74.56 29.02,80.66 29.02,83.75 42.23,96.96 42.23,99.88 51.17,108.82 H35.2
Net-(H36-OUT): length 56.7
  Top w0.3: H36.2 40.96,96.96 28,84 28,81.08 21.64,74.72 U6.5
Net-(H37-OUT): length 40.3
  Top w0.3: U6.6 20.37,75.17 26.99,81.78 26.99,90.69 H37.2
Net-(H38-OUT): length 24.5
  Top w0.3: H38.2 20.89,82.87 20.89,78.16 19.11,76.38 19.11,59.14 U6.7
Net-(H39-OUT): length 13.9
  Top w0.3: U6.8 17.7,59.13 11.06,65.76 H39.2
Net-(H40-OUT): length 37.2
  Top w0.3: U7.1 340.4,50.58 354.65,64.83 362.11,64.83 366.39,69.11 H40.2
Net-(H41-OUT): length 43.4
  Top w0.3: H41.2 353.83,66.3 339.13,51.59 339.13,48.95
Net-(H42-OUT): length 27.5
  Top w0.3: H42.2 348.51,63.52 337.86,52.87 U7.3
Net-(H43-OUT): length 67.5
  Top w0.3: U7.4 336.59,94.01 347.15,104.57 H43.2
Net-(H44-OUT): length 52.4
  Top w0.3: U7.5 335.32,99.41 H44.2
Net-(H45-OUT): length 38.9
  Top w0.3: U7.6 334.05,82.89 H45.2
Net-(H46-OUT): length 26.1
  Top w0.3: H46.2 332.78,64.17 U7.7
Net-(H47-OUT): length 72.1
  Top w0.3: H47.2 325.34,100.77 317.82,93.24 317.82,70.92 331.51,57.23 U7.8
Net-(H48-OUT): length 77.3
  Top w0.3: H48.2 286.87,103.99 278.95,96.07 278.95,90.14 274.64,85.82 274.64,70.16 270.57,66.1 U8.1
Net-(H49-OUT): length 64
  Top w0.3: H49.2 281.24,101.43 281.24,100.13 277.68,96.58 277.68,90.48 273.62,86.42 273.62,70.67 269.3,66.35 U8.2
Net-(H50-OUT): length 48
  Top w0.3: H50.2 272.6,88.86 272.6,71.18 268.03,66.61 U8.3
Net-(H51-OUT): length 30.4
  Top w0.3: U8.4 266.76,75.05 H51.2
Net-(H52-OUT): length 16.4
  Top w0.3: H52.2 265.49,56.72 U8.5
Net-(H53-OUT): length 72.1
  Top w0.3: U8.6 264.22,50.35 254.82,59.75 254.82,69.15 258.38,72.7 258.38,91.5 264.04,97.16 H53.2
Net-(H54-OUT): length 57.9
  Top w0.3: H54.2 257.36,96.6 257.36,73.21 253.55,69.4 253.55,59.49 262.95,50.1 U8.7
Net-(H55-OUT): length 42.3
  Top w0.3: H55.2 249.88,83.74 252.28,81.34 252.28,58.99 261.68,49.59 U8.8
Net-(H56-OUT): length 31.1
  Top w0.3: 237.3,46.03 239.84,46.03 249.74,55.94 249.74,64.45 H56.2
Net-(H57-OUT): length 9.5
  Top w0.3: 236.03,46.03 236.03,47.01 240.58,51.56 H57.2
Net-(H58-OUT): length 60.9
  Top w0.3: H58.2 242.63,99.91 242.63,87.94 237.55,82.86 237.55,70.16 234.76,67.37 234.76,46.03
Net-(H59-OUT): length 44.7
  Top w0.3: 233.49,46.03 233.49,68.64 236.54,71.69 236.54,85.79 H59.2
Net-(H60-OUT): length 27.9
  Top w0.3: 232.22,46.03 232.22,70.51 H60.2
Net-(H61-OUT): length 15.3
  Top w0.3: 230.95,46.03 230.95,51.73 H61.2
Net-(H62-OUT): length 55.6
  Top w0.3: H62.2 212.96,41.41 216.22,38.16 223.54,38.16 229.68,44.3 U9.7
Net-(H63-OUT): length 11.1
  Top w0.3: H63.2 222.59,40.7 224.34,40.7 228.41,44.76 U9.8
Net-(H64-OUT): length 67.8
  Top w0.3: 292.03,46.47 292.03,46.73 296.16,50.86 299.53,50.86 316.04,67.37 316.04,99.01 H64.2
Net-(H65-OUT): length 52.3
  Top w0.3: H65.2 313.75,81.73 313.75,67.62 298.26,52.13 295.72,52.13 290.76,47.17 U10.2
Net-(H66-OUT): length 32.4
  Top w0.3: H66.2 303.97,59.87 297.24,53.14 294.96,53.14 289.49,47.68 289.49,46.47
Net-(H67-OUT): length 83.9
  Top w0.3: U10.4 288.22,46.67 288.1,46.79 288.1,62.29 296.73,70.92 296.73,91.24 302.07,96.58 302.07,102.93 311.21,112.07 311.21,119.18 H67.2
Net-(H68-OUT): length 69
  Top w0.3: U10.5 286.95,62.67 295.21,70.92 295.21,91.75 300.71,97.25 H68.2
Net-(H69-OUT): length 54.5
  Top w0.3: U10.6 285.68,62.92 293.69,70.92 293.69,90.48 292.25,91.92 H69.2
Net-(H70-OUT): length 37
  Top w0.3: 284.41,46.47 284.41,63.18 286.39,65.15 H70.2
Net-(H71-OUT): length 21.4
  Top w0.3: H71.2 283.14,66.31 U10.8

## Copper pours and planes (outline as drawn; the poured copper is in the pictures)
GND on Top, Bottom: 1.33,89.72 6.41,96.07 50.23,139.88 56.58,142.43 328.36,142.43 335.34,139.25 380.43,93.53 383.6,86.54 383.6,35.75 377.25,26.22 261.05,1.45 123.89,1.45 7.68,26.22 1.33,34.47

## Text on the board
Top: sus | expr
F.Silkscreen: https://github.com/piwicode/bandoneon
User.Handle: Double check thickness
